# KiCad board PCB_D.kicad_pcb

Outline 47 x 47 mm; copper layers: Top, Bottom. Coordinates in mm from the lower left corner of the outline.
Outline path: circle c23.5,23.5 r23.5

## Placement (name value [footprint] x y rotation side)
C1  100n  [C_0603_1608Metric_Pad1.05x0.95mm_HandSolder]  30.1 22.4 315 top
C2  1uF  [C_0603_1608Metric_Pad1.05x0.95mm_HandSolder]  31.7 24.11 135 top
C3  100n  [C_0603_1608Metric_Pad1.05x0.95mm_HandSolder]  21.67 30.76 180 top
C4  100n  [C_0603_1608Metric_Pad1.05x0.95mm_HandSolder]  28.1 35.06 270 top
C5  4.7uF  [C_0805_2012Metric_Pad1.15x1.40mm_HandSolder]  26.15 34.91 270 top
D1  Verde  [LED_0603_1608Metric]  4.2 33 0 top
D2  Verde  [LED_0603_1608Metric]  30.66 32.9 0 top
D3  Rojo  [LED_0603_1608Metric]  16.18 42.96 90 top
D4  1N4007  [D_SMA]  30.76 40.98 90 top
D5  1N4148  [D_MiniMELF]  32.75 28.63 315 top
D6  1N4148  [D_MiniMELF]  33.66 18.93 270 top
J1  Conn_01x03  [PinHeader_1x03_P2.54mm_Vertical]  20 10.7 225 top
J2  -  [Conector_Expansion_CanSat]  23.5 23.5 0 top
J3  Conn_02x03_Odd_Even  [PinHeader_2x03_P2.54mm_Vertical]  9.9 10.6 45 top
J4  USB_B_Micro  [USB_Micro-B_Molex-105017-0001]  23.3 42.8 180 top
J5  Conn_01x03  [PinHeader_1x03_P2.54mm_Vertical]  42.75 32.5 270 top
JP1  BOM_Jumper  [Empty_Footprint]  63.37 44.2 0 top
LOGO  -  [Logo_AXTEC]  28.68 11.66 0 top
LOGO#2  -  [Logo_AXTEC]  36.5 11.61 180 bottom
M1  Spacer  [Empty_Footprint]  63.87 45.2 0 top
M2  Spacer  [Empty_Footprint]  63.37 44.7 0 top
M3  Spacer  [Empty_Footprint]  63.37 45.2 0 top
MH1  -  [MH_CanSat]  23.5 23.5 0 top
R1  10k  [R_0603_1608Metric_Pad1.05x0.95mm_HandSolder]  31.27 27.26 135 top
R2  10k  [R_0603_1608Metric_Pad1.05x0.95mm_HandSolder]  18.4 24.6 45 top
R3  10k  [R_0603_1608Metric_Pad1.05x0.95mm_HandSolder]  33.61 41.94 90 top
R4  220  [R_0603_1608Metric_Pad1.05x0.95mm_HandSolder]  7.72 33 180 top
R5  220  [R_0603_1608Metric_Pad1.05x0.95mm_HandSolder]  30.31 35.54 270 top
R6  220  [R_0603_1608Metric_Pad1.05x0.95mm_HandSolder]  14.46 42.5 90 top
REF**  -  [OSHW-Symbol_6.7x6mm_SilkScreen]  32.54 6.23 0 top
REF**#2  -  [OSHW-Symbol_6.7x6mm_SilkScreen]  32.54 6.23 180 bottom
SW1  Reset Switch  [SW_PUSH_6mm]  15.1 24.9 135 top
U1  ATmega328P-AU  [TQFP-32_7x7mm_P0.8mm]  23.5 18.7 225 top
U2  -  [CSTNE16M0V530000R0]  27.15 25.85 315 top
U3  FT231XS  [SSOP-20_3.9x8.7mm_P0.635mm]  20.2 36.1 90 top
U4  TPD2E2U06  [SOT-553]  27.1 38.7 180 top

## Footprints (pads in the part's own frame, mm; a bottom-side part is the same pattern mirrored in y, then rotated)
C_0603_1608Metric_Pad1.05x0.95mm_HandSolder
  rrect 1.05x0.95 smd: 1(-0.875,0) 2(0.875,0)
C_0805_2012Metric_Pad1.15x1.40mm_HandSolder
  rrect 1.15x1.4 smd: 1(-1.025,0) 2(1.025,0)
Conector_Expansion_CanSat
  round 1.7 hole 0.8: 1(20.8,6.35) 2(20.8,3.81) 3(20.8,1.27) 4(20.8,-1.27) 5(20.8,-3.81) 6(20.8,-6.35) 7(18.1,5.08) 8(18.1,2.54) 9(18.1,0) 10(18.1,-2.54) 11(18.1,-5.08) 12(18.1,-7.62) 13(-18.1,5.08) 14(-18.1,2.54) 15(-18.1,0) 16(-18.1,-2.54) 17(-18.1,-5.08) 18(-18.1,-7.62) 19(-20.8,6.35) 20(-20.8,3.81) 21(-20.8,1.27) 22(-20.8,-1.27) 23(-20.8,-3.81) 24(-20.8,-6.35)
CSTNE16M0V530000R0
  rect 0.4x1.9 smd: 1(-1.2,0.425) 2(0,0.425) 3(1.2,0.425)
D_MiniMELF
  rect 1.3x1.7 smd: 1(-1.75,0) 2(1.75,0)
D_SMA
  rect 2.5x1.8 smd: 1(-2,0) 2(2,0)
LED_0603_1608Metric
  rrect 0.875x0.95 smd: 1(-0.787,0) 2(0.787,0)
MH_CanSat
  round 6.3 hole 3.2: 1(-12.5,13.5)
  round 6.2 hole 3.2: 2(12.5,13.5) 3(0,-20.2)
PinHeader_1x03_P2.54mm_Vertical
  rect 1.7x1.7 hole 1: 1(0,0)
  oval 1.7x1.7 hole 1: 2(0,-2.54) 3(0,-5.08)
PinHeader_2x03_P2.54mm_Vertical
  rect 1.7x1.7 hole 1: 1(0,0)
  oval 1.7x1.7 hole 1: 2(2.54,0) 3(0,-2.54) 4(2.54,-2.54) 5(0,-5.08) 6(2.54,-5.08)
R_0603_1608Metric_Pad1.05x0.95mm_HandSolder
  rrect 1.05x0.95 smd: 1(-0.875,0) 2(0.875,0)
SOT-553
  rect 0.45x0.3 smd: 1(-0.7,0.5) 2(-0.7,0) 3(-0.7,-0.5) 4(0.7,-0.5) 5(0.7,0.5)
SSOP-20_3.9x8.7mm_P0.635mm
  rect 1.2x0.4 smd: 1(-2.6,2.857) 2(-2.6,2.223) 3(-2.6,1.587) 4(-2.6,0.953) 5(-2.6,0.318) 6(-2.6,-0.318) 7(-2.6,-0.953) 8(-2.6,-1.587) 9(-2.6,-2.223) 10(-2.6,-2.857) 11(2.6,-2.857) 12(2.6,-2.223) 13(2.6,-1.587) 14(2.6,-0.953) 15(2.6,-0.318) 16(2.6,0.318) 17(2.6,0.953) 18(2.6,1.587) 19(2.6,2.223) 20(2.6,2.857)
SW_PUSH_6mm
  round 2 hole 1.1: 1(0,0) 1(6.5,0) 2(0,-4.5) 2(6.5,-4.5)
TQFP-32_7x7mm_P0.8mm
  rect 1.6x0.55 smd: 1(-4.25,2.8) 2(-4.25,2) 3(-4.25,1.2) 4(-4.25,0.4) 5(-4.25,-0.4) 6(-4.25,-1.2) 7(-4.25,-2) 8(-4.25,-2.8) 17(4.25,-2.8) 18(4.25,-2) 19(4.25,-1.2) 20(4.25,-0.4) 21(4.25,0.4) 22(4.25,1.2) 23(4.25,2) 24(4.25,2.8)
  rect 0.55x1.6 smd: 9(-2.8,-4.25) 10(-2,-4.25) 11(-1.2,-4.25) 12(-0.4,-4.25) 13(0.4,-4.25) 14(1.2,-4.25) 15(2,-4.25) 16(2.8,-4.25) 25(2.8,4.25) 26(2,4.25) 27(1.2,4.25) 28(0.4,4.25) 29(-0.4,4.25) 30(-1.2,4.25) 31(-2,4.25) 32(-2.8,4.25)
USB_Micro-B_Molex-105017-0001
  rect 0.4x1.35 smd: 1(-1.3,1.462) 2(-0.65,1.462) 3(0,1.462) 4(0.65,1.462) 5(1.3,1.462)
  oval 1.2x1.9 hole 0.6x1.3: 6(-3.5,-1.238) 6(3.5,-1.238)
  rect 1.2x1.9 smd: 6(-2.9,-1.238) 6(2.9,-1.238)
  round 1.45 hole 0.85: 6(-2.5,1.462) 6(2.5,1.462)
  rect 1.5x1.9 smd: 6(-1,-1.238) 6(1,-1.238)

## Nets
+3V3: J2.14
+5V: C1.1 C2.2 J1.3 J2.15 J3.2 R1.2 R2.2 U1.4 U1.6 U1.18
GND: C1.2 C2.1 C4.2 C5.2 D1.1 J1.1 J2.16 J2.17 J2.18 J3.6 J4.5 J4.6 J5.1 MH1.1 MH1.2 MH1.3 SW1.2 U1.3 U1.5 U1.21 U2.2 U3.6 U3.16 U4.4
VBUS: D4.1 J2.7 R3.1
+BATT: J2.13
/A0: J2.9 U1.23
/A1: J2.10 U1.24
/A2: J2.11 U1.25
/A3: J2.12 U1.26
/D2: J2.3 U1.32
/D3: J2.4 U1.1
/D4: J2.5 U1.2
/D5: J2.6 U1.9
/D6: J2.8 U1.10
/D7: R4.1 U1.11
/D8: U1.12
/D9: U1.13
/D+: J4.3 U3.11 U4.5
/D-: J4.2 U3.12 U4.3
/DTR: C3.2 U3.1
/MISO: J2.20 J3.1 U1.16
/MOSI: J2.19 J3.4 U1.15
/RST: C3.1 J3.5 R2.1 SW1.1 U1.29
/RX_LED: D2.1 U3.10
/RXD: D5.2 D6.2 J5.3 R1.1 U1.30
/SCK: J2.21 J3.3 U1.17
/SCL: J2.23 U1.28
/SDA: J2.24 U1.27
/SS: J2.22 U1.14
/TX_ESP32: D6.1 J2.1
/TX_LED: D3.1 U3.17
/TX_USB: D5.1 U3.20
/TXD: J2.2 J5.2 U1.31 U3.4
Net-(C4-Pad1): C4.1 C5.1 D4.2 J4.1 R5.1 R6.1 U3.15
Net-(D1-Pad2): D1.2 R4.2
Net-(D2-Pad2): D2.2 R5.2
Net-(D3-Pad2): D3.2 R6.2
Net-(J1-Pad2): J1.2 U1.20
Net-(J4-Pad4): J4.4
Net-(R3-Pad2): R3.2 U3.19
Net-(U1-Pad7): U1.7 U2.3
Net-(U1-Pad8): U1.8 U2.1
Net-(U1-Pad19): U1.19
Net-(U1-Pad22): U1.22
Net-(U3-Pad2): U3.2
Net-(U3-Pad5): U3.5
Net-(U3-Pad7): U3.7
Net-(U3-Pad8): U3.8
Net-(U3-Pad9): U3.9
Net-(U3-Pad13): U3.3 U3.13 U3.14
Net-(U3-Pad18): U3.18
Net-(U4-Pad1): U4.1
Net-(U4-Pad2): U4.2

## Via types
v1: diameter 0.8, hole 0.4, Top to Bottom, 71 vias

## Routing (per net, layer and track width the routed paths; a pad name or vN(x,y) marks a point on that pad's centre or on a via; arc(x,y) is an arc through that point)
+3V3: length 0
  Top w0.4: J2.14 5.4,26
+5V: length 74.2
  Top w0.4: 28.37,23 28.49,23.12 29.42,23.12 31.22,24.92 ; 28.37,23 27.76,23.6 26.71,23.6 U1.6 24.27,21.17 23.14,21.17 U1.18 ; 28.37,23 U1.4 ; 17.17,15.2 16.4,14.43 16.4,14.2 ; 17.17,15.2 U1.18 ; 17.17,15.2 17.17,15.23 ; U1.18 18.1,16.13 ; 11.7,15.1 v1(11.7,15.2)
  Top w0.5: v1(29.65,28.94) 29.65,28.88 R1.2 ; v1(30.05,25.79) 31.08,24.76 C2.2
  Top w0.6: v1(15.9,16.5) 15.9,14.8 J1.3 ; v1(7.9,30.6) 8.4,31.1 11.79,31.1 17.61,25.28 18.96,25.28 19.12,25.12 ; v1(11.7,15.2) 11.7,12.4 J3.2 ; v1(9.8,20.2) 8.5,21.5 v1(8.5,23.97) 8.03,23.5 J2.15
  Bottom w0.5: v1(30.05,25.79) 30.1,25.84 30.1,28.48 v1(29.65,28.94)
  Bottom w0.6: v1(8.5,23.97) 7.9,24.57 v1(7.9,30.6) ; 11.8,16.5 11.7,16.4 v1(11.7,15.2) ; 11.8,16.5 10.7,16.5 9.8,17.4 v1(9.8,20.2) ; 11.8,16.5 v1(15.9,16.5)
GND: length 96.8
  Top w0.3: v1(25.13,38.99) 25.33,39.2 U4.4
  Top w0.4: J4.6 27.01,41.34 v1(27.05,41.3) ; 30.82,21.68 28.17,21.68 U1.3 26.72,20.22 26.72,20.22 26.3,19.8 v1(25.17,19.8) ; v1(25.17,19.8) 25.17,20.97 25.55,21.35 25.59,21.35 U1.5 ; v1(25.17,19.8) v1(22.08,16.71) U1.21 20.18,14.82 ; 25.8,43.04 J4.6 ; U3.6 20.52,35.76 v1(20.3,35.98) 19.88,36.4 U3.16 ; v1(28.39,44.04) 28.39,44.04 J4.6 ; v1(28.6,27.3) 27.45,26.15 U2.2 ; 32.34,23.51 C2.1 v1(31.52,22.69) 30.72,21.89 C1.2 ; J4.5 J4.6 19.46,41.34 v1(19.45,41.35) ; v1(24.14,34.81) 25.07,33.88 C5.2 27.8,33.88 C4.2 ; v1(7.48,15.8) 7.4,15.88 J2.18 ; 22,43.74 J4.6
  Top w0.6: v1(24.14,34.81) 24.77,34.19 C4.2 ; MH1.1 6.55,37 3.41,33.87 D1.1 ; J4.6 25.8,43.64 J4.6 ; v1(18.04,44.04) J4.6 J4.6 ; 21,44.04 J4.6 ; v1(6.8,12.9) 5.4,14.3 J2.16 ; 20,10 J1.1 20,14.63 U1.21 ; 36.1,37 MH1.2 ; MH1.3 v1(19.4,3.3) ; J3.6 15.3,8.8
  Bottom w0.4: MH1.1 v1(18.04,44.04)
VBUS: length 23.3
  Top w0.4: J2.7 38.18,28.58 v1(37.77,28.17) ; R3.1 31.52,38.98 D4.1 30.76,38.63 32.06,37.33 32.06,33.99 33.25,32.8 v1(33.25,32.75) ; 30.76,39.48 30.76,39.13
  Bottom w0.4: v1(37.77,28.17) 35.08,28.17 33.25,30 v1(33.25,32.75)
/A0: length 34.4
  Top w0.4: U1.23 21.27,13.64 21.27,12.63 24.2,9.7 30.82,9.7 34.4,9.7 39.3,14.6 ; J2.9 v1(39.3,23.5)
  Bottom w0.4: v1(39.3,23.5) 39.3,14.6
  vias: v1(39.3,14.7)
/A1: length 28.7
  Top w0.4: J2.10 38.04,20.96 v1(38,21) ; 38,14.7 33.6,10.3 30.57,10.3 25.89,10.3 U1.24
  Bottom w0.4: v1(38,21) 38,14.7
  vias: v1(37.95,14.7)
/A2: length 23.2
  Top w0.4: U1.25 27.34,10.9 30.32,10.9 32.8,10.9 v1(36.6,14.7) ; J2.11 v1(37.17,18.42)
  Bottom w0.4: v1(36.6,14.7) 37.17,15.27 v1(37.17,18.42)
/A3: length 19.5
  Top w0.4: U1.26 27.87,11.5 30.07,11.5 32.23,11.5 36.61,15.88 J2.12
/D2: length 23.7
  Top w0.25: J2.3 37.88,24.77 35.9,22.79 35.9,17.35 35.69,17.15 v1(35.69,16.24)
  Top w0.4: U1.32 29.96,16.2 v1(31.8,16.2)
  Bottom w0.4: v1(35.69,16.24) 35.66,16.2 v1(31.8,16.2)
/D3: length 18.5
  Top w0.4: v1(31.63,20.86) 31.63,19.36 31.07,18.8 29.41,18.8 U1.1 ; v1(38,22.2) 38.03,22.23 J2.4
  Bottom w0.4: v1(31.63,20.86) 36.66,20.86 v1(38,22.2)
/D4: length 17.2
  Top w0.4: v1(37.17,19.74) 37.22,19.69 J2.5 ; U1.2 28.56,20.93 29.57,20.93 v1(30.8,19.7)
  Bottom w0.4: v1(30.8,19.7) 37.12,19.7 v1(37.17,19.74)
/D5: length 35.9
  Top w0.25: v1(35.43,26.05) 33.8,24.41 32.69,24.41 28.53,28.58 26.85,28.58 22.47,24.2 U1.9 ; J2.6 37.01,17.15 36.35,17.81 36.35,21.85 v1(38,23.5)
  Bottom w0.4: v1(35.43,26.05) 35.45,26.05 v1(38,23.5)
/D6: length 29.4
  Top w0.25: U1.10 21.27,23.76 21.27,24.22 28.53,31.48 35.54,31.48 36.77,30.25 v1(39.25,30.25)
  Top w0.4: v1(39.3,26) 41.56,26 J2.8
  Bottom w0.4: v1(39.3,26) 39.3,30.2 v1(39.25,30.25)
/D7: length 21.2
  Top w0.4: R4.1 10.95,33 17.51,26.45 18.72,26.45 19.58,27.31 20.8,27.31 21.6,26.51 21.6,25.55 20.5,24.45 20.5,23.4 U1.11
/D+: length 7.6
  Top w0.3: v1(25.33,37.88) 26.08,37.88 U4.5 ; J4.3 23.3,39.84 23.06,39.6 U3.11 23.06,37.7 v1(23.44,37.32)
  Bottom w0.3: v1(23.44,37.32) 24.77,37.32 v1(25.33,37.88)
/D-: length 13.4
  Top w0.3: U3.12 22.42,37.02 22.94,36.5 23.75,36.5 24.31,37.06 24.31,39.65 23.95,40.01 ; J4.2 23.95,40.01 ; 23.95,40.01 27.44,40.01 27.8,39.65 U4.3
  Top w0.4: J4.2 23.95,40.8
/DTR: length 6.5
  Top w0.4: 17.34,32.35 U3.1 17.34,32.2 18.78,30.76 C3.2
/MISO: length 37.6
  Top w0.4: J3.1 11.7,10.6 13,9.3 14,9.3 14.9,10.2 14.9,11.5 14.09,12.31 14.09,18.77 16.43,21.11 v1(17,21.11) 17.13,21.11 U1.16 ; J2.20 9.23,27.31 13.64,22.89 v1(14.51,22.89)
  Bottom w0.4: v1(14.51,22.89) 15.22,22.89 v1(17,21.11)
/MOSI: length 35.8
  Top w0.4: J3.4 13.49,19.65 v1(14.8,20.96) 15.92,22.08 17.37,22.08 18.44,21 18.44,20.93 U1.15 17.87,21.5 ; v1(13.59,24.31) 9.94,27.97 7.45,27.97 6.94,28.48 6.94,29.6 6.69,29.85 J2.19
  Bottom w0.4: v1(13.59,24.31) 13.59,22.16 v1(14.8,20.96)
/RST: length 58.7
  Top w0.4: v1(24.6,18.1) 24.67,18.1 U1.29 29.27,13.5 30,13.5 v1(31.2,12.3) ; SW1.1 SW1.1 ; 15.2,24.7 17.06,24.7 18.66,23.1 v1(19.5,23.1) 19.5,24.3 20.45,25.25 v1(20.45,26.4) ; 13.6,6.9 J3.5 13.66,6.84 18.79,6.84 20.85,8.9 v1(31.2,8.9)
  Top w0.5: C3.1 22.55,28.49 v1(22.13,28.07)
  Bottom w0.4: v1(19.5,23.1) 24.5,18.1 v1(24.6,18.1) ; v1(31.2,8.9) v1(31.2,12.3)
  Bottom w0.5: v1(20.45,26.4) v1(22.13,28.07)
/RX_LED: length 7.4
  Top w0.25: 29.88,33.3 29.27,32.69 25.13,32.69 24.32,33.5 23.76,33.5
  Top w0.3: U3.10 23.76,33.5
/RXD: length 36.4
  Top w0.2: v1(35.59,29.14) 35.59,27.11 36.35,26.34 36.35,25.79 32.33,21.76 32.33,19.36 33.66,18.03 D6.2
  Top w0.4: U1.30 29.6,14.3 31.83,14.3 33.66,16.13 D6.2 ; v1(34.37,32.75) 37.67,32.75 37.67,32.75 ; 33.58,26.89 33.58,27.13 v1(35.59,29.14)
  Top w0.5: D5.2 32.64,27.39 R1.1
  Bottom w0.4: v1(35.59,29.14) 34.37,30.36 v1(34.37,32.75)
/SCK: length 39.5
  Top w0.4: J3.3 11.8,8.7 13.6,8.7 14.74,7.55 15.89,7.55 17.8,9.47 17.8,10.1 14.8,13.1 14.8,17 16.3,18.5 ; 16.3,18.5 v1(16.3,19.6) ; 16.3,18.5 17.69,18.5 U1.17 ; J2.21 10.07,24.77 10.2,24.9 12.07,23.03 v1(12.07,20.6) 12.09,20.63 12.09,20.89
  Bottom w0.4: v1(12.07,20.6) 13.07,19.6 v1(16.3,19.6)
/SCL: length 51.7
  Top w0.4: 15.1,5.1 16.9,5.1 ; 15.1,5.1 17.9,5.1 ; 15.1,5.1 12.5,5.1 9,8.6 ; 16.9,5.1 17.9,5.1 ; 16.9,5.1 17.6,5.1 ; v1(29.8,12.3) 29.62,12.3 27.14,14.78 26.86,14.78 U1.28 ; 17.9,5.1 20.8,8 v1(29.8,8) ; 9,8.6 7.7,9.9 ; 9,8.6 3.95,13.65 3.95,18.44 J2.23
  Bottom w0.4: v1(29.8,12.3) v1(29.8,8)
/SDA: length 46.8
  Top w0.4: v1(28.4,7.2) 20.9,7.2 18,4.3 12.45,4.3 8.1,8.65 ; U1.27 28.2,12.3 v1(28.4,12.3) ; 8.1,8.65 2.7,14.05 J2.24 ; 8.1,8.65 5.4,11.35
  Bottom w0.4: v1(28.4,12.3) v1(28.4,7.2)
/SS: length 20.5
  Top w0.3: U1.14 17.71,22.79 15.52,22.79 12.02,19.28 9.23,19.28 6.28,22.23 J2.22
  Top w0.4: 19.65,20.95 U1.14
/TX_ESP32: length 17.2
  Top w0.2: J2.1 40.31,29.85 39.6,29.14 37.47,29.14 36.96,28.63 36.96,25.64 33.66,22.34 D6.1
/TX_LED: length 9.5
  Top w0.4: U3.17 19.25,37.76 v1(18.73,37.24) ; v1(17.61,42.19) 17.58,42.17 D3.1
  Bottom w0.4: v1(18.73,37.24) 16.4,39.57 16.4,40.99 v1(17.61,42.19)
/TX_USB: length 26.3
  Top w0.4: v1(27.72,29.55) 28.28,30.1 30.36,30.1 31.1,29.36 ; v1(26.6,30.66) 22.94,27.01 22.03,27.01 19.03,30 18.57,30 16.37,32.21 16.37,34.97 17.34,35.94 U3.20
  Bottom w0.4: v1(26.6,30.66) v1(27.72,29.55)
/TXD: length 58.4
  Top w0.25: J2.2 39.3,27.31 35.39,23.4 35.39,17.56 34.93,17.1 34.93,16.13 v1(34,15.2) ; U3.4 19.25,32.65 19.97,31.93 35.9,31.93 36.85,30.98 40.53,30.98 40.54,30.97 ; 40.13,31.22 40.16,31.25
  Top w0.4: J5.2 40.21,31.3 40.71,30.8 v1(42.6,30.8) 41.2,30.8 ; v1(31.2,15.2) 29.83,15.2 U1.31 ; v1(43.3,28.6) 43.3,28.31 J2.2
  Bottom w0.4: v1(42.6,30.8) 43,30.4 43,28.9 v1(43.3,28.6) ; v1(34,15.2) v1(31.2,15.2)
Net-(C4-Pad1): length 36
  Top w0.4: J4.1 24.6,42.41 24.51,42.5 19.08,42.5 18.57,41.99 18.57,41.09 19.6,40.06 20.15,40.06 20.52,39.69 ; R5.1 29.09,36.41 28.83,36.67 ; 28.83,36.67 C4.1 C5.1 22.28,35.94 20.52,37.7 U3.15 20.52,39.69 ; 28.83,36.67 28.83,41.2 30.76,43.13 30.76,43.48 ; 20.52,39.69 20.52,39.3 ; 14.41,41.64 14.76,41.28 18.42,41.28 18.52,41.18
Net-(D1-Pad2): length 1.7
  Top w0.4: 6.7,33 D1.2
Net-(D2-Pad2): length 2.2
  Top w0.4: R5.2 30.32,34.66 31.45,33.53 D2.2
Net-(D3-Pad2): length 2
  Top w0.4: D3.2 16.16,43.77 14.2,43.77
Net-(J1-Pad2): length 4.3
  Top w0.4: J1.2 18.2,13.97 U1.20
Net-(R3-Pad2): length 31.6
  Top w0.2: U3.19 17.98,40.17 17.53,40.62 13.8,40.62 13.34,41.08 13.34,43.92 13.9,44.48 15.32,44.48 15.68,44.84 18.52,44.84 19.44,45.75 27.72,45.75 28.43,45.04 31.39,45.04 R3.2
Net-(U1-Pad7): length 4.1
  Top w0.4: U1.7 26.27,24.3 27.29,24.3 U2.3
Net-(U1-Pad8): length 4.2
  Top w0.4: U1.8 25.16,24.32 25.16,24.36 25.8,25 25.8,26.2 U2.1
Net-(U3-Pad13): length 14.4
  Top w0.4: U3.3 18.61,34.5 18.11,35 v1(17.6,35) ; v1(21.5,39.9) 21.5,38.7 ; 21.5,38.7 U3.13 ; 21.5,38.7 U3.14 ; v1(16.4,36.2) 16.4,39.67 16.64,39.91 v1(17.2,39.91)
  Bottom w0.4: v1(21.5,39.9) 17.21,39.9 v1(17.2,39.91) ; v1(17.6,35) v1(16.4,36.2)

## Copper pours and planes (outline as drawn; the poured copper is in the pictures)
GND on Top: -1.5,48.5 48.5,48.5 48.5,-1.5 -1.5,-1.5
GND on Bottom: -1.5,48.5 48.5,48.5 48.5,-1.5 -1.5,-1.5

## Text on the board
B.SilkS: CanSat Platform | PCB_D v1.0 | 1 | +5V | VREF | GND
F.SilkS: TX | RX | CanSat Platform | PCB_D v1.0 | 1 | MISO | SCK | RST | 5V | MOSI | GND | +5V | VREF | -
